# Altium PCB DUTs.PcbDoc
Units mm, origin at the board's own origin, x right, y up, seen from the top; angles counter-clockwise.
Board outline 230 x 70 mm, 2 copper layers (Top Layer, Bottom Layer), stack 1.62 mm thick; 18 components, 2 nets, 68 pads, 2218 vias.
Unrouted connection lines stored in the file: 3.
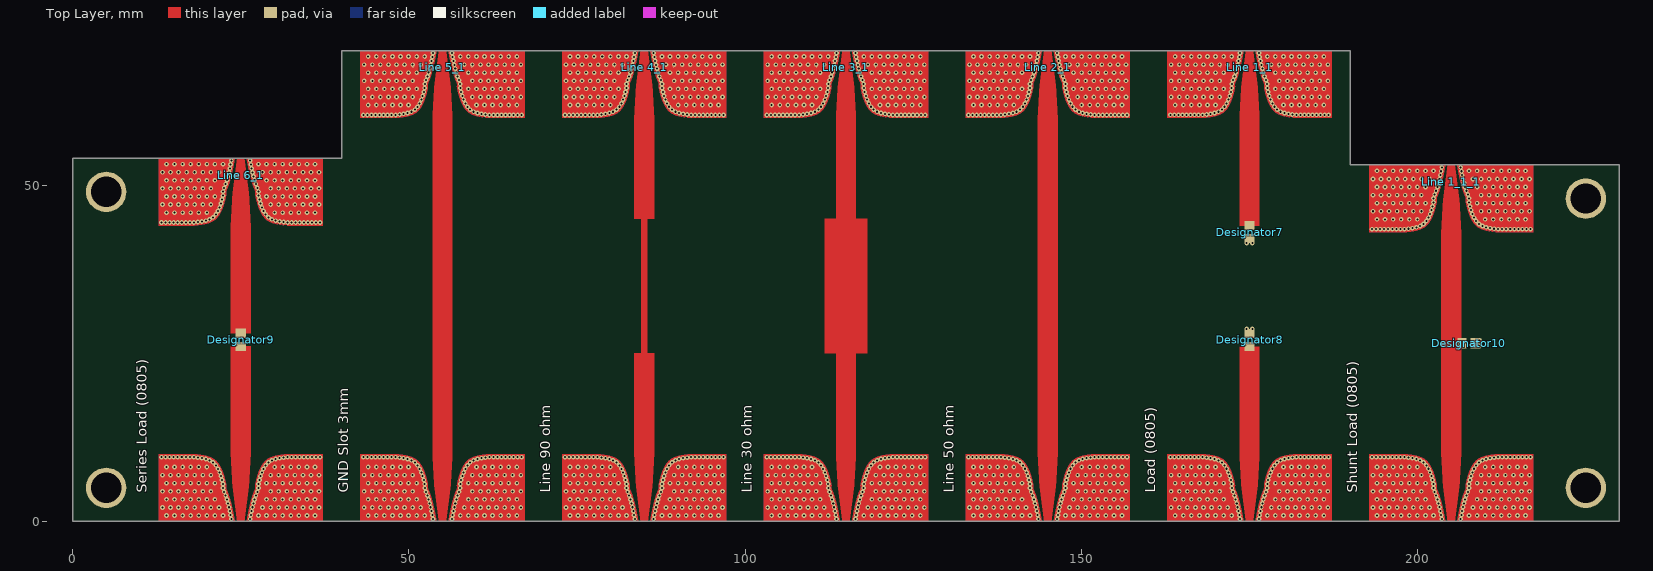
[diagram p0: Top Layer view]
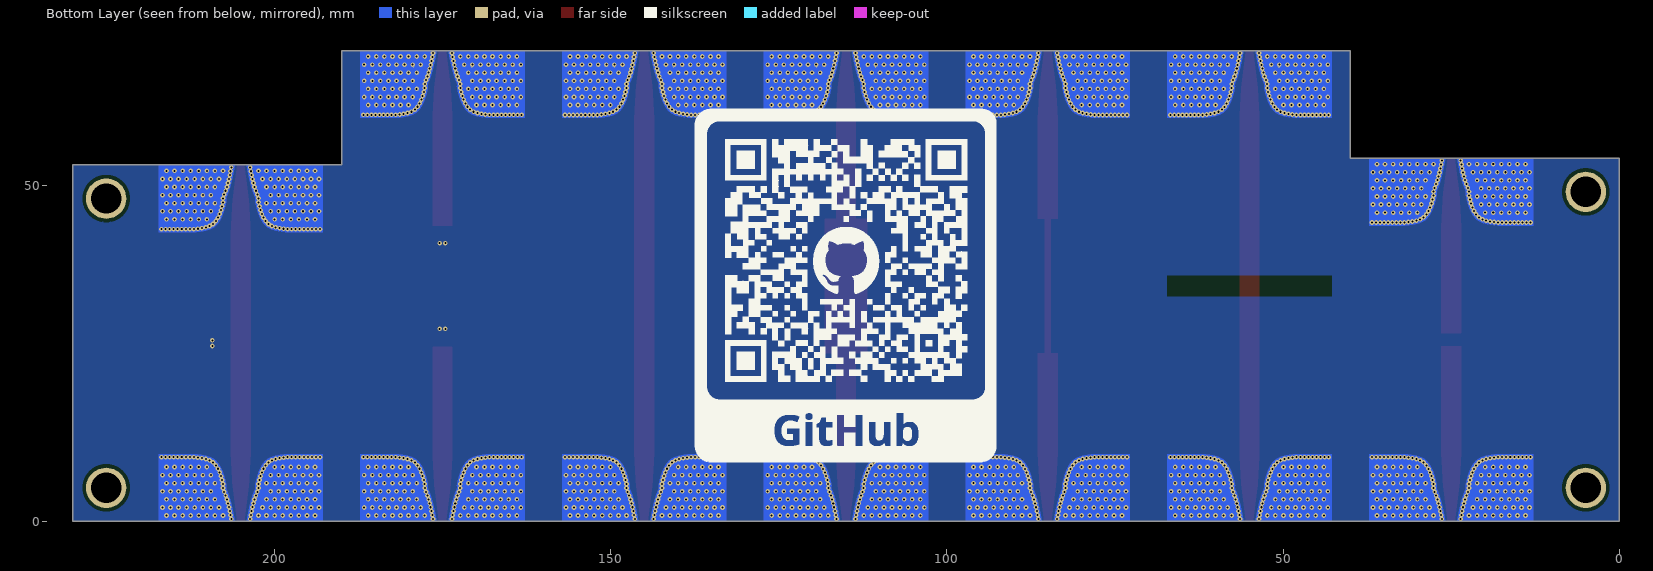
[diagram p1: Bottom Layer view, seen from below]

## Layer stack, top to bottom
Top Solder: solder mask 0.0102, Solder Resist, Dk 3.5
Top Layer: signal copper 0.035
Dielectric 1: dielectric 1.55, FR-4, Dk 4.4
Bottom Layer: signal copper 0.035
Bottom Solder: solder mask 0.0102, Solder Resist, Dk 3.5

## Board outline
0,0 0,53.998 40,53.998 40,70 190,70 190,53 230,53 230,0

## Design rules (kind name [scope] priority, off if disabled: settings)
BoardOutlineClearance [All] p1: gap=0 ignorepadtopadclearanceinfootprint=FALSE
Clearance [All] p1: gap=0.15 ignorepadtopadclearanceinfootprint=TRUE except(0: Arc-Region Arc-Hole Track-Region Track-Hole SMDPad-Region SMDPad-Hole THPad-Region THPad-Hole Via-Region Via-Hole Fill-Region Fill-Hole Poly-Region Poly-Hole Region-Region Region-Hole Text-Hole; 0.5: THPad-Poly)
PlaneConnect [All] p1: planeconnectstyle=Direct reliefexpansion=0.508 reliefentries=4 reliefconductorwidth=0.254 reliefairgap=0.254
PolygonConnect [All] p1: connectstyle=Direct reliefconductorwidth=0.254 reliefentries=4 polygonreliefangle="90 Angle" airgapwidth=0.254
RoutingVias [All] p1: holewidth=0.711 width=1.27 viastyle="Through Hole" minholewidth=0.2 minwidth=0.5 maxholewidth=0.711 maxwidth=1.27
ShortCircuit [All] p1 off: allowed=FALSE
SolderMaskExpansion [All] p1: expansion=0.102 istentingtop=FALSE
Width [All] p1: maxlimit=5 minlimit=0.15 preferedwidth=1.126
28 further rules are at their usual default settings.

## Components (designator, comment, footprint, x,y, rotation, side; value= is the part's Value field where it differs from the comment)
Designator7 "Comment" RESC2013X70X40ML20T20 175,43.025 r270 top
Designator8 "Comment" RESC2013X70X40ML20T20 175,26.977 r90 top
Designator9 "Comment" RESC2013X70X40ML20T20 25,26.999 r90 top
Designator10 "Comment" RESC2013X70X40ML20T20 207.571,26.502 r0 top
"GND Slot 3mm" "Comment" JOHNSON-142-0701-801_SMA_TO_MS 55,0 r0 top
"Line 1_1" "Comment" JOHNSON-142-0701-801_SMA_TO_MS 175,70 r180 top
"Line 1_1_1" "Comment" JOHNSON-142-0701-801_SMA_TO_MS 205,53.001 r180 top
"Line 2_1" "Comment" JOHNSON-142-0701-801_SMA_TO_MS 145,70 r180 top
"Line 3_1" "Comment" JOHNSON-142-0701-801_SMA_TO_MS 115,69.999 r180 top
"Line 4_1" "Comment" JOHNSON-142-0701-801_SMA_TO_MS 85,69.999 r180 top
"Line 5_1" "Comment" JOHNSON-142-0701-801_SMA_TO_MS 55,69.999 r180 top
"Line 6_1" "Comment" JOHNSON-142-0701-801_SMA_TO_MS 25,53.998 r180 top
"Line 30 ohm" "Comment" JOHNSON-142-0701-801_SMA_TO_MS 115,0.001 r0 top
"Line 50 ohm" "Comment" JOHNSON-142-0701-801_SMA_TO_MS 145,0.001 r0 top
"Line 90 ohm" "Comment" JOHNSON-142-0701-801_SMA_TO_MS 85,0.001 r0 top
"Load (0805)" "Comment" JOHNSON-142-0701-801_SMA_TO_MS 175,0.002 r0 top
"Series Load (0805)" "Comment" JOHNSON-142-0701-801_SMA_TO_MS 25,0 r0 top
"Shunt Load (0805)" "Comment" JOHNSON-142-0701-801_SMA_TO_MS 205,0.002 r0 top

## Footprints (in the part's own frame and the unit in brackets; to place one, negate y for a bottom-side part, rotate by r counter-clockwise, add the part's x,y. Pads: shape width x height; smd on the part's side, far side on the other; paste and mask are expansions set on the pad)
JOHNSON-142-0701-801_SMA_TO_MS [mil] "SMA 1.6mm to Microstrip"
  round 1 smd far side mask+0: 1(-172.5,98.43) 1(172.5,98.43)
  round 1 smd mask+0: 1(-172.5,98.43) 1(172.5,98.43)
  Top Layer region: 1330 vertices and 0 holes, not listed, extent -481.18,0 -34.81,393.81
  Top Layer region: 1330 vertices and 0 holes, not listed, extent 34.81,0 481.18,393.81
  Top Layer region: 9521 vertices and 0 holes, not listed, extent -57.89,0 57.89,984.25
  Top Layer region: 220,19 201,0 125,0 125,177.85 144,196.85 201,196.85 220,177.85
  Top Layer region: -125,177.85 -125,0 -201,0 -220,19 -220,177.85 -201,196.85 -144,196.85
  Bottom Layer region: 1330 vertices and 0 holes, not listed, extent -481.18,0 -34.81,393.81
  Bottom Layer region: 1330 vertices and 0 holes, not listed, extent 34.81,0 481.18,393.81
  Bottom Layer region: 220,19 201,0 125,0 125,177.85 144,196.85 201,196.85 220,177.85
  Bottom Layer region: -125,177.85 -125,0 -201,0 -220,19 -220,177.85 -201,196.85 -144,196.85
  body extent -188,-375 188,187, height 171
RESC2013X70X40ML20T20 [mm] "Chip Resistor, 2-Leads, Body 2.00x1.25mm, IPC Low Density"
  rect 1.35x1.55 smd: 1(-0.975,0) 2(0.975,0)
  body extent -1.1,-0.72 1.1,0.72, height 0.7

## Free pads (board coordinates)
  round 6 hole 4.5: 2(5,49) 2(5,5) 2(225,5.002) 2(225,48)

## Via types
v1: diameter 0.7, hole 0.3, Top Layer to Bottom Layer, tented both sides, 2218 vias

## Nets (pads, with @x,y where several pads share a name; then routed paths per layer and width w, separated by ;. In a path a pad name is that pad's centre, name@x,y a point inside that pad or via, vN(x,y) a via of type N, cw(c..) or ccw(c..) an arc to the next point about the centre after c; other vN are vias at no path point)
GND: "GND Slot 3mm.1" "Line 1_1.1" "Line 1_1_1.1" "Line 2_1.1" "Line 3_1.1" "Line 4_1.1" "Line 5_1.1" "Line 6_1.1" "Line 30 ohm.1" "Line 50 ohm.1" "Line 90 ohm.1" "Load (0805).1" "Series Load (0805).1" "Shunt Load (0805).1" Designator7.2 Designator8.2 Designator10.2
  other v1: 23.6,0.345 26.4,0.345 53.6,0.345 56.4,0.345 83.6,0.345 86.4,0.345 113.6,0.346 116.4,0.346 143.6,0.346 146.4,0.346 173.6,0.347 176.4,0.347 203.6,0.347 206.4,0.347 13.956,0.88 15.156,0.88 16.356,0.88 17.556,0.88 18.756,0.88 19.956,0.88 21.156,0.88 22.356,0.88 27.644,0.88 28.844,0.88 30.044,0.88 31.244,0.88 32.444,0.88 33.644,0.88 34.844,0.88 36.044,0.88 43.956,0.88 45.156,0.88 46.356,0.88 47.556,0.88 48.756,0.88 49.956,0.88 51.156,0.88 52.356,0.88 57.644,0.88 58.844,0.88 60.044,0.88 61.244,0.88 62.444,0.88 63.644,0.88 64.844,0.88 66.044,0.88 73.956,0.881 75.156,0.881 76.356,0.881 77.556,0.881 78.756,0.881 79.956,0.881 81.156,0.881 82.356,0.881 87.644,0.881 88.844,0.881 90.044,0.881 91.244,0.881 92.444,0.881 93.644,0.881 94.844,0.881 96.044,0.881 103.956,0.881 105.156,0.881 106.356,0.881 107.556,0.881 108.756,0.881 109.956,0.881 111.156,0.881 112.356,0.881 117.644,0.881 118.844,0.881 120.044,0.881 121.244,0.881 122.444,0.881 123.644,0.881 124.844,0.881 126.044,0.881 133.956,0.882 135.156,0.882 136.356,0.882 137.556,0.882 138.756,0.882 139.956,0.882 141.156,0.882 142.356,0.882 147.644,0.882 148.844,0.882 150.044,0.882 151.244,0.882 152.444,0.882 153.644,0.882 154.844,0.882 156.044,0.882 163.956,0.882 165.156,0.882 166.356,0.882 167.556,0.882 168.756,0.882 169.956,0.882 171.156,0.882 172.356,0.882 177.644,0.882 178.844,0.882 180.044,0.882 181.244,0.882 182.444,0.882 183.644,0.882 184.844,0.882 186.044,0.882 193.956,0.883 195.156,0.883 196.356,0.883 197.556,0.883 198.756,0.883 199.956,0.883 201.156,0.883 202.356,0.883 207.644,0.883 208.844,0.883 210.044,0.883 211.244,0.883 212.444,0.883 213.644,0.883 214.844,0.883 216.044,0.883 23.491,0.933 26.509,0.933 53.491,0.933 56.509,0.933 83.491,0.934 86.509,0.934 113.491,0.934 116.509,0.934 143.491,0.935 146.509,0.935 173.491,0.935 176.509,0.935 203.491,0.936 206.509,0.936 23.373,1.52 26.627,1.52 53.373,1.52 56.627,1.52 83.373,1.521 86.627,1.521 113.373,1.521 116.627,1.521 143.373,1.522 146.627,1.522 173.373,1.522 176.627,1.522 203.373,1.523 206.627,1.523 13.356,2.08 14.556,2.08 15.756,2.08 16.956,2.08 18.156,2.08 19.356,2.08 20.556,2.08 21.756,2.08 28.244,2.08 29.444,2.08 30.644,2.08 31.844,2.08 33.044,2.08 34.244,2.08 35.444,2.08 36.644,2.08 43.356,2.08 44.556,2.08 45.756,2.08 46.956,2.08 48.156,2.08 49.356,2.08 50.556,2.08 51.756,2.08 58.244,2.08 59.444,2.08 60.644,2.08 61.844,2.08 63.044,2.08 64.244,2.08 65.444,2.08 66.644,2.08 73.356,2.081 74.556,2.081 75.756,2.081 76.956,2.081 78.156,2.081 79.356,2.081 80.556,2.081 81.756,2.081 88.244,2.081 89.444,2.081 90.644,2.081 91.844,2.081 93.044,2.081 94.244,2.081 95.444,2.081 96.644,2.081 103.356,2.081 104.556,2.081 105.756,2.081 106.956,2.081 108.156,2.081 109.356,2.081 110.556,2.081 111.756,2.081 118.244,2.081 119.444,2.081 120.644,2.081 121.844,2.081 123.044,2.081 124.244,2.081 125.444,2.081 126.644,2.081 133.356,2.082 134.556,2.082 135.756,2.082 136.956,2.082 138.156,2.082 139.356,2.082 140.556,2.082 141.756,2.082 148.244,2.082 149.444,2.082 150.644,2.082 151.844,2.082 153.044,2.082 154.244,2.082 155.444,2.082 156.644,2.082 163.356,2.082 164.556,2.082 165.756,2.082 166.956,2.082 168.156,2.082 169.356,2.082 170.556,2.082 171.756,2.082 178.244,2.082 179.444,2.082 180.644,2.082 181.844,2.082 183.044,2.082 184.244,2.082 185.444,2.082 186.644,2.082 193.356,2.083 194.556,2.083 195.756,2.083 196.956,2.083 198.156,2.083 199.356,2.083 200.556,2.083 201.756,2.083 208.244,2.083 209.444,2.083 210.644,2.083 211.844,2.083 213.044,2.083 214.244,2.083 215.444,2.083 216.644,2.083 23.244,2.104 26.756,2.104 53.244,2.105 56.756,2.105 83.244,2.105 86.756,2.105 113.244,2.106 116.756,2.106 143.244,2.106 146.756,2.106 173.244,2.106 176.756,2.106 203.244,2.107 206.756,2.107 23.103,2.686 26.897,2.686 53.103,2.686 56.897,2.686 83.103,2.687 86.897,2.687 113.103,2.687 116.897,2.687 143.103,2.688 146.897,2.688 173.103,2.688 176.897,2.688 203.103,2.689 206.897,2.689 22.944,3.263 27.056,3.263 52.944,3.263 57.056,3.263 82.944,3.264 87.056,3.264 13.956,3.28 15.156,3.28 16.356,3.28 17.556,3.28 18.756,3.28 19.956,3.28 21.156,3.28 28.844,3.28 30.044,3.28 31.244,3.28 32.444,3.28 33.644,3.28 34.844,3.28 36.044,3.28 43.956,3.28 45.156,3.28 46.356,3.28 47.556,3.28 48.756,3.28 49.956,3.28 51.156,3.28 58.844,3.28 60.044,3.28 61.244,3.28 62.444,3.28 63.644,3.28 64.844,3.28 66.044,3.28 73.956,3.281 75.156,3.281 76.356,3.281 77.556,3.281 78.756,3.281 79.956,3.281 81.156,3.281 88.844,3.281 90.044,3.281 91.244,3.281 92.444,3.281 93.644,3.281 94.844,3.281 96.044,3.281 103.956,3.281 105.156,3.281 106.356,3.281 107.556,3.281 108.756,3.281 109.956,3.281 111.156,3.281 112.944,3.264 117.056,3.264 118.844,3.281 120.044,3.281 121.244,3.281 122.444,3.281 123.644,3.281 124.844,3.281 126.044,3.281 133.956,3.282 135.156,3.282 136.356,3.282 137.556,3.282 138.756,3.282 139.956,3.282 141.156,3.282 142.944,3.265 147.056,3.265 148.844,3.282 150.044,3.282 151.244,3.282 152.444,3.282 153.644,3.282 154.844,3.282 156.044,3.282 163.956,3.282 165.156,3.282 166.356,3.282 167.556,3.282 168.756,3.282 169.956,3.282 171.156,3.282 172.944,3.265 177.056,3.265 178.844,3.282 180.044,3.282 181.244,3.282 182.444,3.282 183.644,3.282 184.844,3.282 186.044,3.282 193.956,3.283 195.156,3.283 196.356,3.283 197.556,3.283 198.756,3.283 199.956,3.283 201.156,3.283 202.944,3.266 207.056,3.266 208.844,3.283 210.044,3.283 211.244,3.283 212.444,3.283 213.644,3.283 214.844,3.283 216.044,3.283 22.761,3.833 27.239,3.833 52.761,3.833 57.239,3.833 82.761,3.833 87.239,3.833 112.761,3.834 117.239,3.834 142.761,3.834 147.239,3.834 172.761,3.835 177.239,3.835 202.761,3.835 207.239,3.835 22.54,4.389 27.46,4.389 52.54,4.389 57.46,4.389 82.54,4.39 87.46,4.39 112.54,4.39 117.46,4.39 142.54,4.39 147.46,4.39 172.54,4.391 177.46,4.391 202.54,4.391 207.46,4.391 13.356,4.48 14.556,4.48 15.756,4.48 16.956,4.48 18.156,4.48 19.356,4.48 20.556,4.48 29.444,4.48 30.644,4.48 31.844,4.48 33.044,4.48 34.244,4.48 35.444,4.48 36.644,4.48 43.356,4.48 44.556,4.48 45.756,4.48 46.956,4.48 48.156,4.48 49.356,4.48 50.556,4.48 59.444,4.48 60.644,4.48 61.844,4.48 63.044,4.48 64.244,4.48 65.444,4.48 66.644,4.48 73.356,4.481 74.556,4.481 75.756,4.481 76.956,4.481 78.156,4.481 79.356,4.481 80.556,4.481 89.444,4.481 90.644,4.481 91.844,4.481 93.044,4.481 94.244,4.481 95.444,4.481 96.644,4.481 103.356,4.481 104.556,4.481 105.756,4.481 106.956,4.481 108.156,4.481 109.356,4.481 110.556,4.481 119.444,4.481 120.644,4.481 121.844,4.481 123.044,4.481 124.244,4.481 125.444,4.481 126.644,4.481 133.356,4.482 134.556,4.482 135.756,4.482 136.956,4.482 138.156,4.482 139.356,4.482 140.556,4.482 149.444,4.482 150.644,4.482 151.844,4.482 153.044,4.482 154.244,4.482 155.444,4.482 156.644,4.482 163.356,4.482 164.556,4.482 165.756,4.482 166.956,4.482 168.156,4.482 169.356,4.482 170.556,4.482 179.444,4.482 180.644,4.482 181.844,4.482 183.044,4.482 184.244,4.482 185.444,4.482 186.644,4.482 193.356,4.483 194.556,4.483 195.756,4.483 196.956,4.483 198.156,4.483 199.356,4.483 200.556,4.483 209.444,4.483 210.644,4.483 211.844,4.483 213.044,4.483 214.244,4.483 215.444,4.483 216.644,4.483 22.372,4.964 27.628,4.964 52.372,4.964 57.628,4.964 82.372,4.965 87.628,4.965 112.372,4.965 117.628,4.965 142.372,4.966 147.628,4.966 172.372,4.966 177.628,4.966 202.372,4.967 207.628,4.967 22.354,5.562 27.646,5.562 52.354,5.563 57.646,5.563 82.354,5.563 87.646,5.563 112.354,5.564 117.646,5.564 142.354,5.564 147.646,5.564 172.354,5.564 177.646,5.564 202.354,5.565 207.646,5.565 13.956,5.68 15.156,5.68 16.356,5.68 17.556,5.68 18.756,5.68 19.956,5.68 21.156,5.68 28.844,5.68 30.044,5.68 31.244,5.68 32.444,5.68 33.644,5.68 34.844,5.68 36.044,5.68 43.956,5.68 45.156,5.68 46.356,5.68 47.556,5.68 48.756,5.68 49.956,5.68 51.156,5.68 58.844,5.68 60.044,5.68 61.244,5.68 62.444,5.68 63.644,5.68 64.844,5.68 66.044,5.68 73.956,5.681 75.156,5.681 76.356,5.681 77.556,5.681 78.756,5.681 79.956,5.681 81.156,5.681 88.844,5.681 90.044,5.681 91.244,5.681 92.444,5.681 93.644,5.681 94.844,5.681 96.044,5.681 103.956,5.681 105.156,5.681 106.356,5.681 107.556,5.681 108.756,5.681 109.956,5.681 111.156,5.681 118.844,5.681 120.044,5.681 121.244,5.681 122.444,5.681 123.644,5.681 124.844,5.681 126.044,5.681 133.956,5.682 135.156,5.682 136.356,5.682 137.556,5.682 138.756,5.682 139.956,5.682 141.156,5.682 148.844,5.682 150.044,5.682 151.244,5.682 152.444,5.682 153.644,5.682 154.844,5.682 156.044,5.682 163.956,5.682 165.156,5.682 166.356,5.682 167.556,5.682 168.756,5.682 169.956,5.682 171.156,5.682 178.844,5.682 180.044,5.682 181.244,5.682 182.444,5.682 183.644,5.682 184.844,5.682 186.044,5.682 193.956,5.683 195.156,5.683 196.356,5.683 197.556,5.683 198.756,5.683 199.956,5.683 201.156,5.683 208.844,5.683 210.044,5.683 211.244,5.683 212.444,5.683 213.644,5.683 214.844,5.683 216.044,5.683 22.218,6.145 27.782,6.145 52.218,6.146 57.782,6.146 82.218,6.146 87.782,6.146 112.218,6.147 117.782,6.147 142.218,6.147 147.782,6.147 172.218,6.147 177.782,6.147 202.218,6.148 207.782,6.148 22.056,6.721 27.944,6.721 52.056,6.722 57.944,6.722 82.056,6.722 87.944,6.722 112.056,6.723 117.944,6.723 142.056,6.723 147.944,6.723 172.056,6.723 177.944,6.723 202.056,6.724 207.944,6.724 13.356,6.88 14.556,6.88 15.756,6.88 16.956,6.88 18.156,6.88 19.356,6.88 20.556,6.88 29.444,6.88 30.644,6.88 31.844,6.88 33.044,6.88 34.244,6.88 35.444,6.88 36.644,6.88 43.356,6.88 44.556,6.88 45.756,6.88 46.956,6.88 48.156,6.88 49.356,6.88 50.556,6.88 59.444,6.88 60.644,6.88 61.844,6.88 63.044,6.88 64.244,6.88 65.444,6.88 66.644,6.88 73.356,6.881 74.556,6.881 75.756,6.881 76.956,6.881 78.156,6.881 79.356,6.881 80.556,6.881 89.444,6.881 90.644,6.881 91.844,6.881 93.044,6.881 94.244,6.881 95.444,6.881 96.644,6.881 103.356,6.881 104.556,6.881 105.756,6.881 106.956,6.881 108.156,6.881 109.356,6.881 110.556,6.881 119.444,6.881 120.644,6.881 121.844,6.881 123.044,6.881 124.244,6.881 125.444,6.881 126.644,6.881 133.356,6.882 134.556,6.882 135.756,6.882 136.956,6.882 138.156,6.882 139.356,6.882 140.556,6.882 149.444,6.882 150.644,6.882 151.844,6.882 153.044,6.882 154.244,6.882 155.444,6.882 156.644,6.882 163.356,6.882 164.556,6.882 165.756,6.882 166.956,6.882 168.156,6.882 169.356,6.882 170.556,6.882 179.444,6.882 180.644,6.882 181.844,6.882 183.044,6.882 184.244,6.882 185.444,6.882 186.644,6.882 193.356,6.883 194.556,6.883 195.756,6.883 196.956,6.883 198.156,6.883 199.356,6.883 200.556,6.883 209.444,6.883 210.644,6.883 211.844,6.883 213.044,6.883 214.244,6.883 215.444,6.883 216.644,6.883 21.857,7.286 28.143,7.286 51.857,7.286 58.143,7.286 81.857,7.287 88.143,7.287 111.857,7.287 118.143,7.287 141.857,7.287 148.143,7.287 171.857,7.288 178.143,7.288 201.857,7.288 208.143,7.288 21.603,7.828 28.397,7.828 51.603,7.828 58.397,7.828 81.603,7.828 88.397,7.828 111.603,7.829 118.397,7.829 141.603,7.829 148.397,7.829 171.603,7.83 178.397,7.83 201.603,7.83 208.397,7.83 13.956,8.08 15.156,8.08 16.356,8.08 17.556,8.08 18.756,8.08 19.956,8.08 30.044,8.08 31.244,8.08 32.444,8.08 33.644,8.08 34.844,8.08 36.044,8.08 43.956,8.08 45.156,8.08 46.356,8.08 47.556,8.08 48.756,8.08 49.956,8.08 60.044,8.08 61.244,8.08 62.444,8.08 63.644,8.08 64.844,8.08 66.044,8.08 73.956,8.081 75.156,8.081 76.356,8.081 77.556,8.081 78.756,8.081 79.956,8.081 90.044,8.081 91.244,8.081 92.444,8.081 93.644,8.081 94.844,8.081 96.044,8.081 103.956,8.081 105.156,8.081 106.356,8.081 107.556,8.081 108.756,8.081 109.956,8.081 120.044,8.081 121.244,8.081 122.444,8.081 123.644,8.081 124.844,8.081 126.044,8.081 133.956,8.082 135.156,8.082 136.356,8.082 137.556,8.082 138.756,8.082 139.956,8.082 150.044,8.082 151.244,8.082 152.444,8.082 153.644,8.082 154.844,8.082 156.044,8.082 163.956,8.082 165.156,8.082 166.356,8.082 167.556,8.082 168.756,8.082 169.956,8.082 180.044,8.082 181.244,8.082 182.444,8.082 183.644,8.082 184.844,8.082 186.044,8.082 193.956,8.083 195.156,8.083 196.356,8.083 197.556,8.083 198.756,8.083 199.956,8.083 210.044,8.083 211.244,8.083 212.444,8.083 213.644,8.083 214.844,8.083 216.044,8.083 21.295,8.341 28.705,8.341 51.295,8.342 58.705,8.342 81.295,8.342 88.705,8.342 111.295,8.342 118.705,8.342 141.295,8.343 148.705,8.343 171.295,8.343 178.705,8.343 201.295,8.344 208.705,8.344 20.882,8.776 29.118,8.776 50.882,8.776 59.118,8.776 80.882,8.777 89.118,8.777 110.882,8.777 119.118,8.777 140.882,8.778 149.118,8.778 170.882,8.778 179.118,8.778 200.882,8.779 209.118,8.779 20.368,9.084 29.632,9.084 50.368,9.084 59.632,9.084 80.368,9.084 89.632,9.084 110.368,9.085 119.632,9.085 140.368,9.085 149.632,9.085 170.368,9.086 179.632,9.086 200.368,9.086 209.632,9.086 19.801,9.276 30.199,9.276 49.801,9.277 60.199,9.277 79.801,9.277 90.199,9.277 109.801,9.277 120.199,9.277 139.801,9.278 150.199,9.278 169.801,9.278 180.199,9.278 199.801,9.279 210.199,9.279 19.215,9.397 30.785,9.397 49.215,9.397 60.785,9.397 79.215,9.398 90.785,9.398 109.215,9.398 120.785,9.398 139.215,9.398 150.785,9.398 169.215,9.399 180.785,9.399 199.215,9.399 210.785,9.399 18.622,9.482 31.378,9.482 48.622,9.483 61.378,9.483 78.622,9.483 91.378,9.483 108.622,9.484 121.378,9.484 138.622,9.484 151.378,9.484 168.622,9.484 181.378,9.484 198.622,9.485 211.378,9.485 13.228,9.552 13.828,9.552 14.428,9.552 15.028,9.552 15.628,9.552 16.228,9.552 16.828,9.552 17.428,9.552 18.028,9.552 31.972,9.552 32.572,9.552 33.172,9.552 33.772,9.552 34.372,9.552 34.972,9.552 35.572,9.552 36.172,9.552 36.772,9.552 43.228,9.553 43.828,9.553 44.428,9.553 45.028,9.553 45.628,9.553 46.228,9.553 46.828,9.553 47.428,9.553 48.028,9.553 61.972,9.553 62.572,9.553 63.172,9.553 63.772,9.553 64.372,9.553 64.972,9.553 65.572,9.553 66.172,9.553 66.772,9.553 73.228,9.553 73.828,9.553 74.428,9.553 75.028,9.553 75.628,9.553 76.228,9.553 76.828,9.553 77.428,9.553 78.028,9.553 91.972,9.553 92.572,9.553 93.172,9.553 93.772,9.553 94.372,9.553 94.972,9.553 95.572,9.553 96.172,9.553 96.772,9.553 103.228,9.554 103.828,9.554 104.428,9.554 105.028,9.554 105.628,9.554 106.228,9.554 106.828,9.554 107.428,9.554 108.028,9.554 121.972,9.554 122.572,9.554 123.172,9.554 123.772,9.554 124.372,9.554 124.972,9.554 125.572,9.554 126.172,9.554 126.772,9.554 133.228,9.554 133.828,9.554 134.428,9.554 135.028,9.554 135.628,9.554 136.228,9.554 136.828,9.554 137.428,9.554 138.028,9.554 151.972,9.554 152.572,9.554 153.172,9.554 153.772,9.554 154.372,9.554 154.972,9.554 155.572,9.554 156.172,9.554 156.772,9.554 163.228,9.555 163.828,9.555 164.428,9.555 165.028,9.555 165.628,9.555 166.228,9.555 166.828,9.555 167.428,9.555 168.028,9.555 181.972,9.555 182.572,9.555 183.172,9.555 183.772,9.555 184.372,9.555 184.972,9.555 185.572,9.555 186.172,9.555 186.772,9.555 193.228,9.555 193.828,9.555 194.428,9.555 195.028,9.555 195.628,9.555 196.228,9.555 196.828,9.555 197.428,9.555 198.028,9.555 211.972,9.555 212.572,9.555 213.172,9.555 213.772,9.555 214.372,9.555 214.972,9.555 215.572,9.555 216.172,9.555 216.772,9.555 209.221,26.082 209.221,26.923 174.58,28.627 175.421,28.627 174.58,41.375 175.421,41.375 193.228,43.448 193.828,43.448 194.428,43.448 195.028,43.448 195.628,43.448 196.228,43.448 196.828,43.448 197.428,43.448 198.028,43.448 211.972,43.448 212.572,43.448 213.172,43.448 213.772,43.448 214.372,43.448 214.972,43.448 215.572,43.448 216.172,43.448 216.772,43.448 198.622,43.518 211.378,43.518 199.215,43.604 210.785,43.604 199.801,43.724 210.199,43.724 200.368,43.917 209.632,43.917 200.882,44.225 209.118,44.225 13.228,44.446 13.828,44.446 14.428,44.446 15.028,44.446 15.628,44.446 16.228,44.446 16.828,44.446 17.428,44.446 18.028,44.446 31.972,44.446 32.572,44.446 33.172,44.446 33.772,44.446 34.372,44.446 34.972,44.446 35.572,44.446 36.172,44.446 36.772,44.446 18.622,44.516 31.378,44.516 19.215,44.601 30.785,44.601 201.295,44.659 208.705,44.659 19.801,44.722 30.199,44.722 20.368,44.915 29.632,44.915 193.956,44.921 195.156,44.921 196.356,44.921 197.556,44.921 198.756,44.921 199.956,44.921 210.044,44.921 211.244,44.921 212.444,44.921 213.644,44.921 214.844,44.921 216.044,44.921 201.603,45.173 208.397,45.173 20.882,45.222 29.118,45.222 21.295,45.657 28.705,45.657 201.857,45.715 208.143,45.715 13.956,45.918 15.156,45.918 16.356,45.918 17.556,45.918 18.756,45.918 19.956,45.918 30.044,45.918 31.244,45.918 32.444,45.918 33.644,45.918 34.844,45.918 36.044,45.918 193.356,46.121 194.556,46.121 195.756,46.121 196.956,46.121 198.156,46.121 199.356,46.121 200.556,46.121 209.444,46.121 210.644,46.121 211.844,46.121 213.044,46.121 214.244,46.121 215.444,46.121 216.644,46.121 21.603,46.171 28.397,46.171 202.056,46.279 207.944,46.279 21.857,46.712 28.143,46.712 202.218,46.855 207.782,46.855 13.356,47.118 14.556,47.118 15.756,47.118 16.956,47.118 18.156,47.118 19.356,47.118 20.556,47.118 29.444,47.118 30.644,47.118 31.844,47.118 33.044,47.118 34.244,47.118 35.444,47.118 36.644,47.118 22.056,47.277 27.944,47.277 193.956,47.321 195.156,47.321 196.356,47.321 197.556,47.321 198.756,47.321 199.956,47.321 201.156,47.321 208.844,47.321 210.044,47.321 211.244,47.321 212.444,47.321 213.644,47.321 214.844,47.321 216.044,47.321 202.354,47.438 207.646,47.438 22.218,47.853 27.782,47.853 202.372,48.037 207.628,48.037 13.956,48.318 15.156,48.318 16.356,48.318 17.556,48.318 18.756,48.318 19.956,48.318 21.156,48.318 28.844,48.318 30.044,48.318 31.244,48.318 32.444,48.318 33.644,48.318 34.844,48.318 36.044,48.318 22.354,48.436 27.646,48.436 193.356,48.521 194.556,48.521 195.756,48.521 196.956,48.521 198.156,48.521 199.356,48.521 200.556,48.521 209.444,48.521 210.644,48.521 211.844,48.521 213.044,48.521 214.244,48.521 215.444,48.521 216.644,48.521 202.54,48.612 207.46,48.612 22.372,49.034 27.628,49.034 202.761,49.168 207.239,49.168 13.356,49.518 14.556,49.518 15.756,49.518 16.956,49.518 18.156,49.518 19.356,49.518 20.556,49.518 29.444,49.518 30.644,49.518 31.844,49.518 33.044,49.518 34.244,49.518 35.444,49.518 36.644,49.518 22.54,49.609 27.46,49.609 193.956,49.721 195.156,49.721 196.356,49.721 197.556,49.721 198.756,49.721 199.956,49.721 201.156,49.721 202.944,49.738 207.056,49.738 208.844,49.721 210.044,49.721 211.244,49.721 212.444,49.721 213.644,49.721 214.844,49.721 216.044,49.721 22.761,50.166 27.239,50.166 203.103,50.315 206.897,50.315 13.956,50.718 15.156,50.718 16.356,50.718 17.556,50.718 18.756,50.718 19.956,50.718 21.156,50.718 22.944,50.735 27.056,50.735 28.844,50.718 30.044,50.718 31.244,50.718 32.444,50.718 33.644,50.718 34.844,50.718 36.044,50.718 203.244,50.896 206.756,50.896 193.356,50.921 194.556,50.921 195.756,50.921 196.956,50.921 198.156,50.921 199.356,50.921 200.556,50.921 201.756,50.921 208.244,50.921 209.444,50.921 210.644,50.921 211.844,50.921 213.044,50.921 214.244,50.921 215.444,50.921 216.644,50.921 23.103,51.312 26.897,51.312 203.373,51.481 206.627,51.481 23.244,51.894 26.756,51.894 13.356,51.918 14.556,51.918 15.756,51.918 16.956,51.918 18.156,51.918 19.356,51.918 20.556,51.918 21.756,51.918 28.244,51.918 29.444,51.918 30.644,51.918 31.844,51.918 33.044,51.918 34.244,51.918 35.444,51.918 36.644,51.918 203.491,52.068 206.509,52.068 193.956,52.121 195.156,52.121 196.356,52.121 197.556,52.121 198.756,52.121 199.956,52.121 201.156,52.121 202.356,52.121 207.644,52.121 208.844,52.121 210.044,52.121 211.244,52.121 212.444,52.121 213.644,52.121 214.844,52.121 216.044,52.121 23.373,52.478 26.627,52.478 203.6,52.656 206.4,52.656 23.491,53.065 26.509,53.065 13.956,53.118 15.156,53.118 16.356,53.118 17.556,53.118 18.756,53.118 19.956,53.118 21.156,53.118 22.356,53.118 27.644,53.118 28.844,53.118 30.044,53.118 31.244,53.118 32.444,53.118 33.644,53.118 34.844,53.118 36.044,53.118 23.6,53.654 26.4,53.654 43.228,60.446 43.828,60.446 44.428,60.446 45.028,60.446 45.628,60.446 46.228,60.446 46.828,60.446 47.428,60.446 48.028,60.446 61.972,60.446 62.572,60.446 63.172,60.446 63.772,60.446 64.372,60.446 64.972,60.446 65.572,60.446 66.172,60.446 66.772,60.446 73.228,60.446 73.828,60.446 74.428,60.446 75.028,60.446 75.628,60.446 76.228,60.446 76.828,60.446 77.428,60.446 78.028,60.446 91.972,60.446 92.572,60.446 93.172,60.446 93.772,60.446 94.372,60.446 94.972,60.446 95.572,60.446 96.172,60.446 96.772,60.446 103.228,60.447 103.828,60.447 104.428,60.447 105.028,60.447 105.628,60.447 106.228,60.447 106.828,60.447 107.428,60.447 108.028,60.447 121.972,60.447 122.572,60.447 123.172,60.447 123.772,60.447 124.372,60.447 124.972,60.447 125.572,60.447 126.172,60.447 126.772,60.447 133.228,60.447 133.828,60.447 134.428,60.447 135.028,60.447 135.628,60.447 136.228,60.447 136.828,60.447 137.428,60.447 138.028,60.447 151.972,60.447 152.572,60.447 153.172,60.447 153.772,60.447 154.372,60.447 154.972,60.447 155.572,60.447 156.172,60.447 156.772,60.447 163.228,60.448 163.828,60.448 164.428,60.448 165.028,60.448 165.628,60.448 166.228,60.448 166.828,60.448 167.428,60.448 168.028,60.448 181.972,60.448 182.572,60.448 183.172,60.448 183.772,60.448 184.372,60.448 184.972,60.448 185.572,60.448 186.172,60.448 186.772,60.448 48.622,60.516 61.378,60.516 78.622,60.516 91.378,60.516 108.622,60.517 121.378,60.517 138.622,60.517 151.378,60.517 168.622,60.518 181.378,60.518 49.215,60.602 60.785,60.602 79.215,60.602 90.785,60.602 109.215,60.602 120.785,60.602 139.215,60.603 150.785,60.603 169.215,60.603 180.785,60.603 49.801,60.722 60.199,60.722 79.801,60.723 90.199,60.723 109.801,60.723 120.199,60.723 139.801,60.723 150.199,60.723 169.801,60.724 180.199,60.724 50.368,60.915 59.632,60.915 80.368,60.915 89.632,60.915 110.368,60.916 119.632,60.916 140.368,60.916 149.632,60.916 170.368,60.916 179.632,60.916 50.882,61.222 59.118,61.222 80.882,61.223 89.118,61.223 110.882,61.223 119.118,61.223 140.882,61.224 149.118,61.224 170.882,61.224 179.118,61.224 51.295,61.657 58.705,61.657 81.295,61.658 88.705,61.658 111.295,61.658 118.705,61.658 141.295,61.658 148.705,61.658 171.295,61.659 178.705,61.659 43.956,61.918 45.156,61.918 46.356,61.918 47.556,61.918 48.756,61.918 49.956,61.918 60.044,61.918 61.244,61.918 62.444,61.918 63.644,61.918 64.844,61.918 66.044,61.918 73.956,61.919 75.156,61.919 76.356,61.919 77.556,61.919 78.756,61.919 79.956,61.919 90.044,61.919 91.244,61.919 92.444,61.919 93.644,61.919 94.844,61.919 96.044,61.919 103.956,61.919 105.156,61.919 106.356,61.919 107.556,61.919 108.756,61.919 109.956,61.919 120.044,61.919 121.244,61.919 122.444,61.919 123.644,61.919 124.844,61.919 126.044,61.919 133.956,61.92 135.156,61.92 136.356,61.92 137.556,61.92 138.756,61.92 139.956,61.92 150.044,61.92 151.244,61.92 152.444,61.92 153.644,61.92 154.844,61.92 156.044,61.92 163.956,61.92 165.156,61.92 166.356,61.92 167.556,61.92 168.756,61.92 169.956,61.92 180.044,61.92 181.244,61.92 182.444,61.92 183.644,61.92 184.844,61.92 186.044,61.92 51.603,62.171 58.397,62.171 81.603,62.171 88.397,62.171 111.603,62.172 118.397,62.172 141.603,62.172 148.397,62.172 171.603,62.172 178.397,62.172 51.857,62.713 58.143,62.713 81.857,62.713 88.143,62.713 111.857,62.713 118.143,62.713 141.857,62.714 148.143,62.714 171.857,62.714 178.143,62.714 43.356,63.118 44.556,63.118 45.756,63.118 46.956,63.118 48.156,63.118 49.356,63.118 50.556,63.118 59.444,63.118 60.644,63.118 61.844,63.118 63.044,63.118 64.244,63.118 65.444,63.118 66.644,63.118 73.356,63.119 74.556,63.119 75.756,63.119 76.956,63.119 78.156,63.119 79.356,63.119 80.556,63.119 89.444,63.119 90.644,63.119 91.844,63.119 93.044,63.119 94.244,63.119 95.444,63.119 96.644,63.119 103.356,63.119 104.556,63.119 105.756,63.119 106.956,63.119 108.156,63.119 109.356,63.119 110.556,63.119 119.444,63.119 120.644,63.119 121.844,63.119 123.044,63.119 124.244,63.119 125.444,63.119 126.644,63.119 133.356,63.12 134.556,63.12 135.756,63.12 136.956,63.12 138.156,63.12 139.356,63.12 140.556,63.12 149.444,63.12 150.644,63.12 151.844,63.12 153.044,63.12 154.244,63.12 155.444,63.12 156.644,63.12 163.356,63.12 164.556,63.12 165.756,63.12 166.956,63.12 168.156,63.12 169.356,63.12 170.556,63.12 179.444,63.12 180.644,63.12 181.844,63.12 183.044,63.12 184.244,63.12 185.444,63.12 186.644,63.12 52.056,63.277 57.944,63.277 82.056,63.277 87.944,63.277 112.056,63.278 117.944,63.278 142.056,63.278 147.944,63.278 172.056,63.279 177.944,63.279 52.218,63.853 57.782,63.853 82.218,63.853 87.782,63.853 112.218,63.854 117.782,63.854 142.218,63.854 147.782,63.854 172.218,63.855 177.782,63.855 43.956,64.318 45.156,64.318 46.356,64.318 47.556,64.318 48.756,64.318 49.956,64.318 51.156,64.318 58.844,64.318 60.044,64.318 61.244,64.318 62.444,64.318 63.644,64.318 64.844,64.318 66.044,64.318 73.956,64.319 75.156,64.319 76.356,64.319 77.556,64.319 78.756,64.319 79.956,64.319 81.156,64.319 88.844,64.319 90.044,64.319 91.244,64.319 92.444,64.319 93.644,64.319 94.844,64.319 96.044,64.319 103.956,64.319 105.156,64.319 106.356,64.319 107.556,64.319 108.756,64.319 109.956,64.319 111.156,64.319 118.844,64.319 120.044,64.319 121.244,64.319 122.444,64.319 123.644,64.319 124.844,64.319 126.044,64.319 133.956,64.32 135.156,64.32 136.356,64.32 137.556,64.32 138.756,64.32 139.956,64.32 141.156,64.32 148.844,64.32 150.044,64.32 151.244,64.32 152.444,64.32 153.644,64.32 154.844,64.32 156.044,64.32 163.956,64.32 165.156,64.32 166.356,64.32 167.556,64.32 168.756,64.32 169.956,64.32 171.156,64.32 178.844,64.32 180.044,64.32 181.244,64.32 182.444,64.32 183.644,64.32 184.844,64.32 186.044,64.32 52.354,64.436 57.646,64.436 82.354,64.436 87.646,64.436 112.354,64.437 117.646,64.437 142.354,64.437 147.646,64.437 172.354,64.438 177.646,64.438 52.372,65.034 57.628,65.034 82.372,65.035 87.628,65.035 112.372,65.035 117.628,65.035 142.372,65.036 147.628,65.036 172.372,65.036 177.628,65.036 43.356,65.518 44.556,65.518 45.756,65.518 46.956,65.518 48.156,65.518 49.356,65.518 50.556,65.518 59.444,65.518 60.644,65.518 61.844,65.518 63.044,65.518 64.244,65.518 65.444,65.518 66.644,65.518 73.356,65.519 74.556,65.519 75.756,65.519 76.956,65.519 78.156,65.519 79.356,65.519 80.556,65.519 89.444,65.519 90.644,65.519 91.844,65.519 93.044,65.519 94.244,65.519 95.444,65.519 96.644,65.519 103.356,65.519 104.556,65.519 105.756,65.519 106.956,65.519 108.156,65.519 109.356,65.519 110.556,65.519 119.444,65.519 120.644,65.519 121.844,65.519 123.044,65.519 124.244,65.519 125.444,65.519 126.644,65.519 133.356,65.52 134.556,65.52 135.756,65.52 136.956,65.52 138.156,65.52 139.356,65.52 140.556,65.52 149.444,65.52 150.644,65.52 151.844,65.52 153.044,65.52 154.244,65.52 155.444,65.52 156.644,65.52 163.356,65.52 164.556,65.52 165.756,65.52 166.956,65.52 168.156,65.52 169.356,65.52 170.556,65.52 179.444,65.52 180.644,65.52 181.844,65.52 183.044,65.52 184.244,65.52 185.444,65.52 186.644,65.52 52.54,65.61 57.46,65.61 82.54,65.61 87.46,65.61 112.54,65.61 117.46,65.61 142.54,65.611 147.46,65.611 172.54,65.611 177.46,65.611 52.761,66.166 57.239,66.166 82.761,66.166 87.239,66.166 112.761,66.167 117.239,66.167 142.761,66.167 147.239,66.167 172.761,66.167 177.239,66.167 43.956,66.718 45.156,66.718 46.356,66.718 47.556,66.718 48.756,66.718 49.956,66.718 51.156,66.718 52.944,66.735 57.056,66.735 58.844,66.718 60.044,66.718 61.244,66.718 62.444,66.718 63.644,66.718 64.844,66.718 66.044,66.718 73.956,66.719 75.156,66.719 76.356,66.719 77.556,66.719 78.756,66.719 79.956,66.719 81.156,66.719 82.944,66.736 87.056,66.736 88.844,66.719 90.044,66.719 91.244,66.719 92.444,66.719 93.644,66.719 94.844,66.719 96.044,66.719 103.956,66.719 105.156,66.719 106.356,66.719 107.556,66.719 108.756,66.719 109.956,66.719 111.156,66.719 112.944,66.736 117.056,66.736 118.844,66.719 120.044,66.719 121.244,66.719 122.444,66.719 123.644,66.719 124.844,66.719 126.044,66.719 133.956,66.72 135.156,66.72 136.356,66.72 137.556,66.72 138.756,66.72 139.956,66.72 141.156,66.72 142.944,66.737 147.056,66.737 148.844,66.72 150.044,66.72 151.244,66.72 152.444,66.72 153.644,66.72 154.844,66.72 156.044,66.72 163.956,66.72 165.156,66.72 166.356,66.72 167.556,66.72 168.756,66.72 169.956,66.72 171.156,66.72 172.944,66.737 177.056,66.737 178.844,66.72 180.044,66.72 181.244,66.72 182.444,66.72 183.644,66.72 184.844,66.72 186.044,66.72 53.103,67.312 56.897,67.312 83.103,67.313 86.897,67.313 113.103,67.313 116.897,67.313 143.103,67.314 146.897,67.314 173.103,67.314 176.897,67.314 53.244,67.894 56.756,67.894 83.244,67.894 86.756,67.894 113.244,67.895 116.756,67.895 143.244,67.895 146.756,67.895 173.244,67.896 176.756,67.896 43.356,67.918 44.556,67.918 45.756,67.918 46.956,67.918 48.156,67.918 49.356,67.918 50.556,67.918 51.756,67.918 58.244,67.918 59.444,67.918 60.644,67.918 61.844,67.918 63.044,67.918 64.244,67.918 65.444,67.918 66.644,67.918 73.356,67.919 74.556,67.919 75.756,67.919 76.956,67.919 78.156,67.919 79.356,67.919 80.556,67.919 81.756,67.919 88.244,67.919 89.444,67.919 90.644,67.919 91.844,67.919 93.044,67.919 94.244,67.919 95.444,67.919 96.644,67.919 103.356,67.919 104.556,67.919 105.756,67.919 106.956,67.919 108.156,67.919 109.356,67.919 110.556,67.919 111.756,67.919 118.244,67.919 119.444,67.919 120.644,67.919 121.844,67.919 123.044,67.919 124.244,67.919 125.444,67.919 126.644,67.919 133.356,67.92 134.556,67.92 135.756,67.92 136.956,67.92 138.156,67.92 139.356,67.92 140.556,67.92 141.756,67.92 148.244,67.92 149.444,67.92 150.644,67.92 151.844,67.92 153.044,67.92 154.244,67.92 155.444,67.92 156.644,67.92 163.356,67.92 164.556,67.92 165.756,67.92 166.956,67.92 168.156,67.92 169.356,67.92 170.556,67.92 171.756,67.92 178.244,67.92 179.444,67.92 180.644,67.92 181.844,67.92 183.044,67.92 184.244,67.92 185.444,67.92 186.644,67.92 53.373,68.478 56.627,68.478 83.373,68.479 86.627,68.479 113.373,68.479 116.627,68.479 143.373,68.48 146.627,68.48 173.373,68.48 176.627,68.48 53.491,69.065 56.509,69.065 83.491,69.066 86.509,69.066 113.491,69.066 116.509,69.066 143.491,69.067 146.509,69.067 173.491,69.067 176.509,69.067 43.956,69.118 45.156,69.118 46.356,69.118 47.556,69.118 48.756,69.118 49.956,69.118 51.156,69.118 52.356,69.118 57.644,69.118 58.844,69.118 60.044,69.118 61.244,69.118 62.444,69.118 63.644,69.118 64.844,69.118 66.044,69.118 73.956,69.119 75.156,69.119 76.356,69.119 77.556,69.119 78.756,69.119 79.956,69.119 81.156,69.119 82.356,69.119 87.644,69.119 88.844,69.119 90.044,69.119 91.244,69.119 92.444,69.119 93.644,69.119 94.844,69.119 96.044,69.119 103.956,69.119 105.156,69.119 106.356,69.119 107.556,69.119 108.756,69.119 109.956,69.119 111.156,69.119 112.356,69.119 117.644,69.119 118.844,69.119 120.044,69.119 121.244,69.119 122.444,69.119 123.644,69.119 124.844,69.119 126.044,69.119 133.956,69.12 135.156,69.12 136.356,69.12 137.556,69.12 138.756,69.12 139.956,69.12 141.156,69.12 142.356,69.12 147.644,69.12 148.844,69.12 150.044,69.12 151.244,69.12 152.444,69.12 153.644,69.12 154.844,69.12 156.044,69.12 163.956,69.12 165.156,69.12 166.356,69.12 167.556,69.12 168.756,69.12 169.956,69.12 171.156,69.12 172.356,69.12 177.644,69.12 178.844,69.12 180.044,69.12 181.244,69.12 182.444,69.12 183.644,69.12 184.844,69.12 186.044,69.12 53.6,69.654 56.4,69.654 83.6,69.654 86.4,69.654 113.6,69.655 116.4,69.655 143.6,69.655 146.4,69.655 173.6,69.655 176.4,69.655
SIG: pad.2
pads on no net: Designator7.1 Designator8.1 Designator9.1 Designator9.2 Designator10.1

## Polygon pours and split planes (outlines as drawn)
GND on Bottom Layer "GND Plane" (solid, pour order 0): 0,0 0,53.998 40,53.998 40,70 190,70 190,53 230,53 230,0

## Other copper
Top Layer:
  region: 176.471,45 173.529,45 173.529,44 176.471,44
  region: 173.529,25.002 176.471,25.002 176.471,26.002 173.529,26.002
  region: 26.471,28.998 23.529,28.998 23.529,27.974 26.471,27.974
  region: 23.529,25 26.471,25 26.471,26.024 23.529,26.024
  region net GND: 203.529,25.002 206.471,25.002 206.471,28.002 203.529,28.002
  region: 53.529,25 56.471,25 56.471,44.999 53.529,44.999
  region: 111.807,25.001 118.193,25.001 118.193,44.999 111.807,44.999
  region: 84.56,25.001 85.44,25.001 85.44,44.999 84.56,44.999
  region: 143.529,25.001 146.471,25.001 146.471,44.999 143.529,44.999
Bottom Layer:
  pour cut-out: 42.778,36.499 67.222,36.499 67.222,33.499 42.778,33.499

## Silkscreen, mask and mechanical layers (free items; w line width, h text height)
Bottom Overlay:
  drawing of 12 lines, arcs and shapes, not listed
Top Solder:
  region: 42.778,25 67.222,25 67.222,44.999 42.778,44.999
  region: 72.778,25.001 97.222,25.001 97.222,44.999 72.778,44.999
  region: 132.778,25.001 157.222,25.001 157.222,44.999 132.778,44.999
  region: 102.778,25.001 127.222,25.001 127.222,44.999 102.778,44.999
Board Shape:
  lines w0.2: 40,69.998 40,53.998 0,53.998 0,0 230,0 230,53 190,53 190,70 40,70 ; 70,59.999 100,59.999
Design Guide:
  lines w0.2: 0,0 25,0 40,0 55,0 70,0 85,0.001 ; 0,53.998 25,53.998 ; 25,53.948 40,53.948 ; 40,69.998 55,69.998 70,69.999 85,69.999 100,69.999 115,69.999 ; 85,0.001 100,0.001 115,0.001 130,0.001 145,0.001 160,0.002 175,0.002 ; 115,69.999 130,69.999 145,70 160,70 175,70 190,70 ; 175,0.002 190,0.002 205,0.002 ; 190,53.001 205,53.001 ; 205,0.002 230,0.002 ; 205,53 230,53

## Dimensions
0,0 to 230,0.002 on Dimensions